# Allegro board LAY-28163.brd (continued)
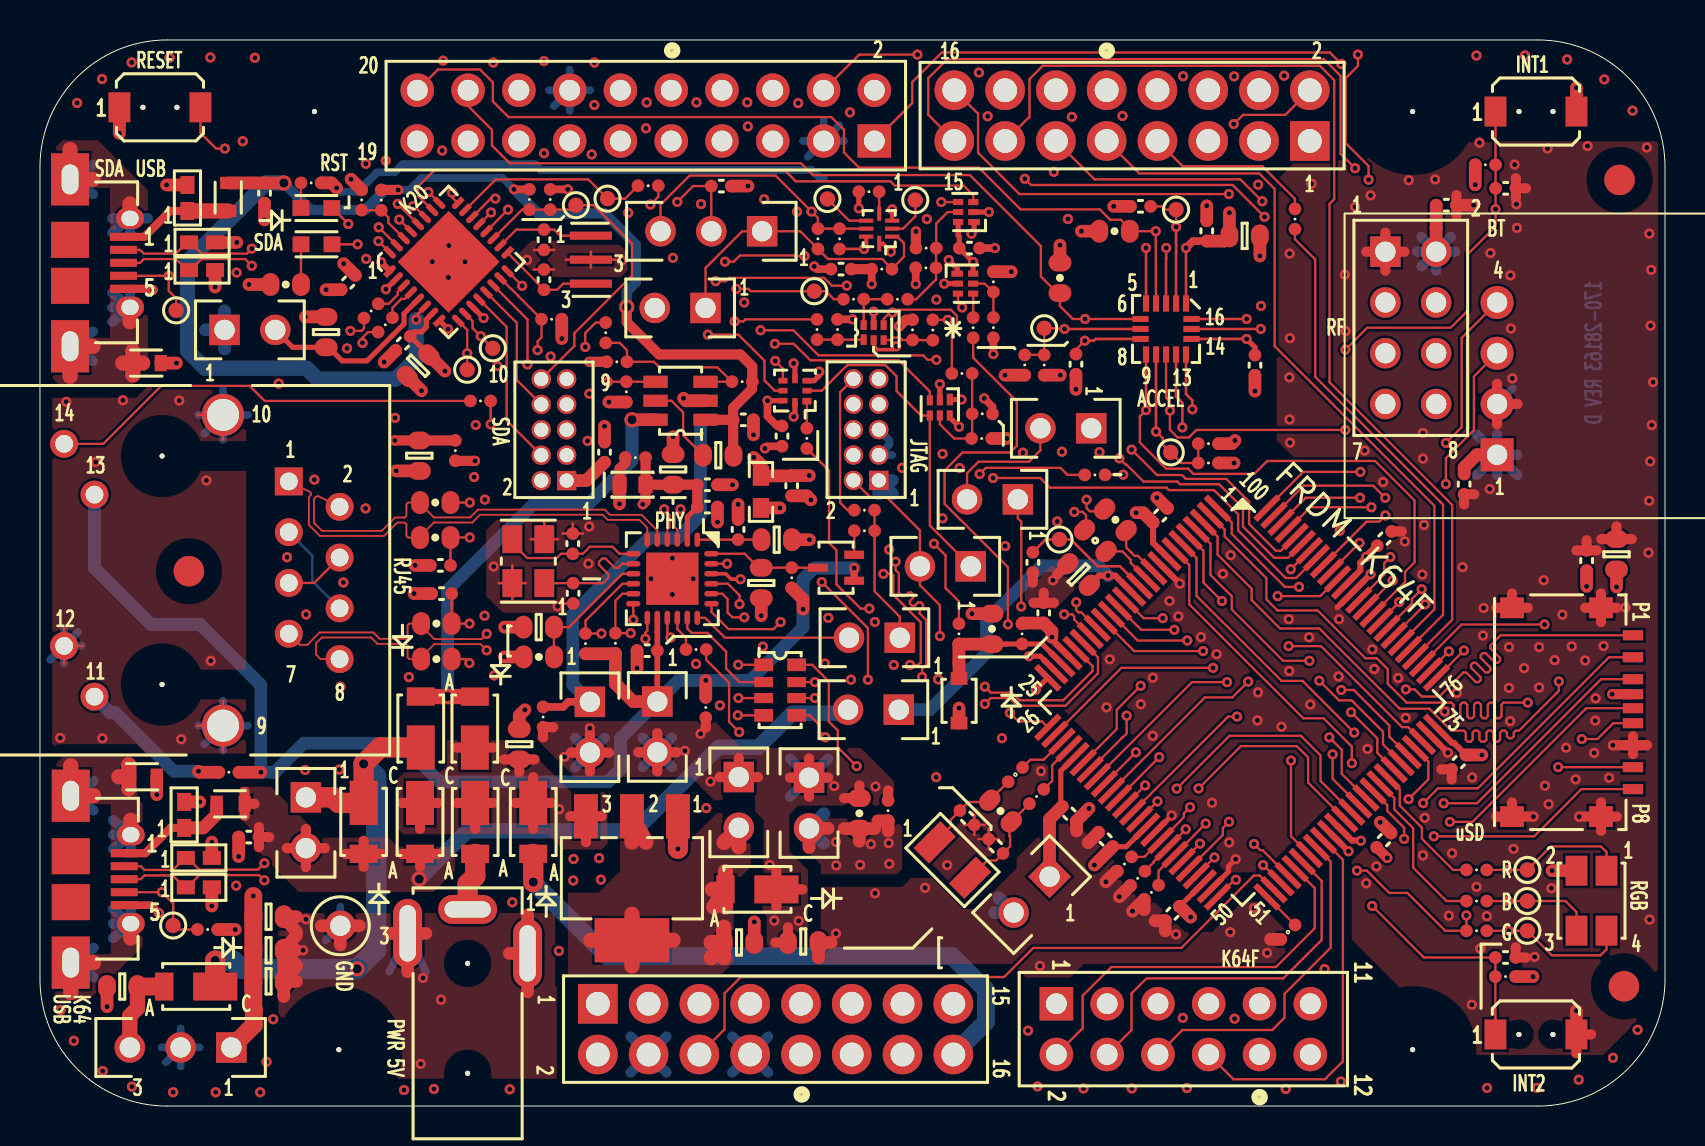
[diagram p0: board, top side]
## Routing (per net, layer and track width the routed paths; a pad name or vN(x,y) marks a point on that pad's centre or on a via; arc(x,y) is an arc through that point) (continued)
  TOP w0.114: U14.66 67.39,15.05 67.39,14.77 68.23,13.92 v1(68.23,13.37)
  INT_1 w0.13: v1(68.23,13.37) 68.23,12.25 64.86,8.87 64.86,4.98 63.92,4.05 62.07,4.05 J4.9
PTB21: length 8.2
  TOP w0.114: U14.67 67.74,15.41 67.74,14.85 68.68,13.9 68.68,11.92 70.35,10.26 R71.2
PTB22: length 6.7
  TOP w0.114: R68.1 70.68,11.81 69.12,13.37 69.12,13.92 68.01,15.03 68.01,15.84 U14.68
PTB23: length 54.8
  TOP w0.114: U14.69 66.89,17.68 66.89,18.4 v1(65.58,19.71)
  INT_1 w0.13: v1(65.58,19.71) 68.07,22.2 68.07,24.63 68.44,24.99 68.44,26.73 70.86,29.15 70.86,40.89 70.34,41.41 66.75,41.41 65.32,42.83 65.32,47.57 65.05,47.85 65.05,51.43 64.22,52.26 54.8,52.26 J1.10
PTC0: length 42.9
  TOP w0.114: v1(61.14,45.27) 60.04,46.37 52.75,46.37 J1.11 ; v1(63.99,21.28) 64.97,20.3 65.61,20.3 67.18,18.73 67.18,18.09 U14.70
  INT_1 w0.13: v1(61.14,45.27) 62.02,44.38 62.02,28.23 63.99,26.27 v1(63.99,21.28)
PTC1: length 40
  TOP w0.114: U14.71 67.49,18.49 67.49,19.04 65.71,20.82 v1(65.08,20.82)
  INT_1 w0.13: v1(65.08,20.82) 65.46,21.19 65.46,26.74 63.71,28.48 63.71,45.32 62.22,46.81 62.22,49.01 61.63,49.61 58.57,49.61 58.43,49.47 J1.5
PTC2: length 55.1
  TOP w0.114: U14.72 69.44,17.24 69.44,16.34 v1(68.45,15.35)
  INT_1 w0.13: v1(68.45,15.35) 63.87,15.35 60.35,18.87 60.35,19.53 60.35,19.53 60.35,20.08 59.89,20.54 59.89,22.31 57.54,24.66 57.54,33.45 58.12,34.03 58.12,43.39 55.79,45.72 54.08,45.72 52.08,47.72 52.08,51.65 51.51,52.22 49.68,52.22 J1.14
PTC3: length 50.2
  TOP w0.114: J1.16 46.92,49.65 46.92,47.7 48.99,45.63 v1(59.47,45.63) ; U14.73 68.43,18.96 68.13,18.96 64.08,23.01 v1(62.45,23.01)
  INT_1 w0.13: v1(59.47,45.63) 60.19,44.91 60.19,42.98 59.42,42.2 59.42,34.94 60.61,33.74 60.61,24.85 v1(62.45,23.01)
PTC4: length 63.7
  TOP w0.114: v1(66.45,46.35) 66.45,47.03 65.31,48.18 65.31,51.43 65.92,52.04 v1(65.92,52.61) ; v1(43.89,52.61) 40.98,52.61 J2.4 ; U14.76 v1(71.22,22.79)
  INT_1 w0.13: v1(71.22,22.79) 71.22,25.84 71.83,26.45 71.83,43.22 70.4,44.66 68.14,44.66 v1(66.45,46.35) ; v1(43.89,52.61) v1(65.92,52.61)
PTC5: length 59.8
  TOP w0.114: J1.15 44.43,49.6 44.43,51.43 45.38,52.38 64.22,52.38 65.05,51.55 65.05,47.65 v1(65.78,46.92) ; U14.77 v1(70.47,22.75)
  INT_1 w0.13: v1(70.47,22.75) 70.47,27.43 71.4,28.36 71.4,42.67 70.03,44.04 67.41,44.04 65.78,45.67 v1(65.78,46.92)
PTC6: length 63.1
  TOP w0.114: v1(65.29,33.83) 57.84,33.83 57.46,33.45 56.9,33.45 56.52,33.83 v1(56.52,34.8) 56.52,35.24 56.32,35.43 U8.11 ; v1(75.25,24.09) 71.11,24.09 U14.78 ; v1(65.29,37.85) 66.39,38.94 70.55,38.94 71.41,39.8 71.41,42.62 72.8,44.01 v1(72.8,44.87) C56.1 R1.2 72.8,47.6 72.8,47.6 SW2.1
  INT_1 w0.13: v1(72.8,44.87) 72.8,44.24 74.66,42.39 74.66,25.84 75.25,25.25 v1(75.25,24.09) ; v1(65.29,33.83) v1(65.29,37.85)
PTC7: length 51.7
  TOP w0.114: U14.79 70.63,24.33 70.63,30.08 64.5,36.21 64.5,45.14 64.73,45.38 64.73,51.33 64.01,52.05 50.15,52.05 49.49,51.39 49.49,49.49 J1.13
PTC8: length 24.8
  TOP w0.114: U14.80 70.18,24.58 70.18,30.09 63.78,36.48 63.78,42.36 62.77,43.37 R79.2
PTC9: length 36.1
  TOP w0.114: U14.81 69.74,24.85 69.74,30.04 61.76,38.02 61.76,45.89 60.98,46.66 54.99,46.66 J1.9
PTC10: length 29.5
  TOP w0.114: v1(69.29,25.1) 68.8,24.61 U14.82
  INT_1 w0.13: J4.12 69.1,8.14 69.1,10.44 72.13,13.48 72.13,16.71 69.61,19.24 69.61,24.79 v1(69.29,25.1)
PTC11: length 32.7
  TOP w0.114: U14.83 68.62,25.14 68.62,25.37 v1(69.11,25.86)
  INT_1 w0.13: J4.10 62.05,3.63 64.09,3.63 66.17,5.72 66.17,8.86 71.42,14.11 71.42,15.99 68.78,18.64 68.78,25.53 v1(69.11,25.86)
PTC12: length 18.4
  TOP w0.114: v1(67.98,25.21) U14.84
  INT_1 w0.13: v1(67.98,25.21) 67.08,26.12 67.08,28.45 65.18,30.35 65.18,33.01 65.81,33.63 65.81,38.72 J6.3
PTC13: length 26.6
  TOP w0.114: U14.85 68.28,26.21 68.28,26.73 68.75,27.2 68.75,30.3 66.77,32.28 61.38,32.28 60.74,31.63 57.69,31.63 57.42,31.89 56.32,31.89 55.01,33.2 55.01,34.51 v1(55.32,34.82)
  TOP w0.127: U8.9 v1(55.32,34.82)
PTC14: length 15.4
  TOP w0.114: v1(70.32,31.12) 70.32,32.42 71.72,33.82 71.72,36.51 J199.3 ; v1(67.65,26.29) 67.34,25.98 U14.86
  INT_1 w0.13: v1(67.65,26.29) 67.65,26.74 70.32,29.41 v1(70.32,31.12)
PTC15: length 17.8
  TOP w0.114: v1(67.54,27.47) 67.23,27.16 67.23,26.58 U14.87 ; J199.4 71.11,38.44 71.11,33.97 v1(70.32,33.18)
  INT_1 w0.13: v1(67.54,27.47) 67.54,27.91 67.54,27.91 67.54,29.01 70.32,31.79 v1(70.32,33.18)
PTC16: length 33
  TOP w0.114: J1.2 62.29,49.59 60.17,49.59 v1(59.71,49.13) ; U14.90 64.04,25.51 v1(61.9,25.51)
  INT_1 w0.13: v1(61.9,25.51) 61.9,26.55 61.04,27.41 61.04,34.36 59.84,35.55 59.84,39.78 60.57,40.51 60.57,45.73 59.71,46.59 v1(59.71,49.13)
PTC17: length 28
  TOP w0.114: v1(66,28.18) U14.91
  INT_1 w0.13: v1(66,28.18) 66,28.62 64.79,29.84 64.79,49.18 64.32,49.64 62.17,49.64 J1.4
PTC18: length 10.7
  TOP w0.114: U14.92 66.35,29.24 66.98,29.24 v1(67.29,29.55)
  INT_1 w0.13: v1(67.29,29.55) 69.83,32.09 J6.8
PTD0: length 44.4
  TOP w0.114: v1(47.67,31.42) 50.03,31.42 50.51,30.94 56.34,30.94 56.47,30.82 58.72,30.82 59.93,29.61 59.93,28.8 62.31,26.42 62.83,26.42 U14.93
  INT_1 w0.13: J2.6 36.65,49.8 37.96,48.49 37.96,46.82 41.49,43.29 43.77,43.29 46.6,40.45 46.6,32.94 47.67,31.87 v1(47.67,31.42)
PTD1: length 58.1
  TOP w0.114: v1(62.56,26.86) U14.94 ; v1(49.26,46.4) 49.57,46.09 59.65,46.09 v1(61.25,44.49)
  INT_1 w0.13: J2.12 30.88,52.67 43.08,52.67 44.48,51.27 44.48,47.5 45.59,46.4 v1(49.26,46.4) ; v1(62.56,26.86) 61.57,27.85 61.57,44.18 v1(61.25,44.49)
PTD2: length 46.6
  TOP w0.114: U14.95 62.42,27.43 61.73,27.43 60.17,28.99 60.17,29.92 58.97,31.11 57.02,31.11 56.89,31.25 55.19,31.25 54.34,32.1 54.3,32.1 v1(53.99,32.41)
  INT_1 w0.13: J2.8 35.26,51.97 42.55,51.97 43.33,51.18 43.33,47.65 45.77,45.21 48.05,45.21 53.99,39.27 v1(53.99,32.41)
PTD3: length 49.5
  TOP w0.114: U14.96 62.07,27.78 61.82,27.78 60.48,29.12 60.48,30.23 59.33,31.38 57.32,31.38 57.12,31.57 55.87,31.57 v1(54.6,32.84)
  INT_1 w0.13: J2.10 33.06,52.32 42.78,52.32 43.9,51.19 43.9,47.53 45.72,45.71 49.31,45.71 54.39,40.64 54.39,33.5 54.6,33.29 v1(54.6,32.84)
PTD4: length 16.2
  TOP w0.114: v1(66.59,29.96) 63.54,29.96 U14.97
  INT_1 w0.13: v1(66.59,29.96) 66.59,31.33 68.28,33.02 68.28,38.66 J6.4
PTD5: length 12.6
  TOP w0.114: v1(66.02,30.43) 63.31,30.43 U14.98
  INT_1 w0.13: v1(66.02,30.43) 65.52,30.94 65.52,32.69 66.19,33.36 66.19,36.56 J6.5
PTD6: length 14.7
  TOP w0.114: U14.99 63.21,31.04 66.68,31.04 v1(67.29,30.43)
  INT_1 w0.13: J6.6 68.61,36.44 68.61,31.75 v1(67.29,30.43)
PTD7: length 9.3
  TOP w0.114: v1(66.04,31.73) 63.19,31.73 U14.100
  INT_1 w0.13: J6.7 67.29,32.98 v1(66.04,31.73)
PTE0: length 34.7
  TOP w0.114: v1(62.98,25.97) 62.27,25.97 59.61,28.63 59.61,29.2 U14.1 ; J15.P8 77.1,15.86 74.74,13.5 v1(69.72,13.5)
  INT_1 w0.13: v1(69.72,13.5) 69.72,15.51 68.93,16.29 64.73,16.29 63.7,17.33 63.7,19.09 62.98,19.81 v1(62.98,25.97)
PTE1: length 33.9
  TOP w0.114: J15.P7 76.37,16.96 v1(75.93,16.96) ; v1(74.41,20.19) 73.2,20.19 73.1,20.09 73.1,19.5 73,19.4 72.86,19.4 72.76,19.5 72.76,20.09 72.66,20.19 72.52,20.19 72.42,20.09 72.42,19.5 72.32,19.4 72.17,19.4 72.07,19.5 72.07,20.09 71.97,20.19 71.83,20.19 71.73,20.09 71.73,19.5 71.63,19.4 71.49,19.4 71.39,19.5 71.39,20.09 71.29,20.19 71.15,20.19 71.04,20.09 71.04,19.5 70.94,19.4 70.8,19.4 70.7,19.5 70.7,20.09 70.6,20.19 68.35,20.19 67.41,21.13 67.41,21.86 66.87,22.4 66.3,22.4 63.9,24.8 61.9,24.8 61.34,25.35 61.34,26.41 59.25,28.5 59.25,28.84 U14.2
  INT_1 w0.13: v1(74.41,20.19) 74.41,18.47 75.62,17.27 v1(75.93,16.96)
PTE2: length 33.7
  TOP w0.114: v1(75.97,21.24) 75.97,20.78 75.83,20.64 75.83,20.63 73.98,18.79 73.82,18.79 73.72,18.69 73.72,18.5 73.62,18.4 73.47,18.4 73.37,18.5 73.37,18.69 73.27,18.79 73.13,18.79 73.03,18.69 73.03,18.33 72.93,18.23 72.79,18.23 72.69,18.33 72.69,18.69 72.59,18.79 72.45,18.79 72.35,18.69 72.35,18.33 72.25,18.23 72.1,18.23 72,18.33 72,18.69 71.9,18.79 71.76,18.79 71.66,18.69 71.66,18.33 71.56,18.23 71.42,18.23 71.32,18.33 71.32,18.69 71.22,18.79 70.59,18.79 69.49,19.88 68.01,19.88 63.99,23.9 62.02,23.9 60.6,25.31 60.6,25.89 58.9,27.59 58.9,28.49 U14.3 ; J15.P5 78.7,19.16 77.9,18.36 v1(77.12,18.36)
  INT_1 w0.13: v1(77.12,18.36) 75.97,19.51 v1(75.97,21.24)
PTE3: length 34.1
  TOP w0.114: J15.P3 78.08,21.36 71.87,15.15 v1(70.21,15.15) ; v1(63.49,22.28) 62.18,22.28 59.61,24.84 59.61,25.51 59.59,25.53 59.59,25.53 59.33,25.79 59.33,25.79 58.55,26.57 58.55,28.14 U14.4
  INT_1 w0.13: v1(63.49,22.28) 63.49,21.12 64.04,20.58 64.04,17.51 64.87,16.68 69.12,16.68 70.21,15.59 v1(70.21,15.15)
PTE4: length 34.1
  TOP w0.114: J15.P2 78.48,22.46 71.92,15.9 69.93,15.9 v1(69.18,15.16) ; v1(59.12,25.27) 58.19,26.19 58.19,27.78 U14.5
  INT_1 w0.13: v1(59.12,25.27) 62.01,22.37 62.01,20.16 63.29,18.89 63.29,17.14 64.56,15.87 68.68,15.87 69.18,15.37 v1(69.18,15.16)
PTE5: length 34.5
  TOP w0.114: J15.P1 73.06,23.56 72.55,23.05 72.55,22.9 73.03,22.42 73.03,22.28 72.93,22.18 72.79,22.18 72.31,22.66 72.16,22.66 72.06,22.56 72.06,22.42 72.54,21.94 72.54,21.8 72.44,21.7 72.3,21.7 71.82,22.18 71.68,22.18 71.58,22.08 71.58,21.93 72.06,21.45 72.06,21.31 71.96,21.21 71.82,21.21 71.33,21.69 71.19,21.69 69.99,20.49 69.11,20.49 68.76,20.85 v1(68.32,20.85) ; U14.6 57.85,27.42 57.85,25.52 62.1,21.27 63.15,21.27 v1(65.73,18.68)
  INT_1 w0.13: v1(65.73,18.68) 66.05,19 66.05,19.03 67.87,20.85 v1(68.32,20.85)
PTE6: length 33.7
  TOP w0.114: v1(70.52,14.22) 71.65,14.22 77.34,19.91 J15.G1 ; U14.7 57.49,27.08 57.49,25.1 63.19,19.4 64.2,19.4 65.62,17.99 65.62,17.59 v1(65.62,17.15)
  INT_1 w0.13: v1(65.62,17.15) 66.06,17.15 66.06,17.15 66.13,17.15 66.13,17.15 69.16,17.15 70.83,15.48 70.83,14.53 v1(70.52,14.22)
PTE24: length 74.5
  TOP w0.114: U14.31 53.86,18.87 53.86,19.83 v1(55.05,21.03) ; U8.4 55.82,40.75 55.81,40.76 55.81,43.14 55.81,43.14 v1(55.81,43.77) R9.2 54.51,43.9 54.06,44.34 53.53,44.34 53.01,44.86 49.04,44.86 46.96,46.95 40.97,46.95 40.21,47.71 40.21,48.85 39.58,49.48 23.43,49.48 22.65,50.26 22.65,51.22 22.01,51.86 19.91,51.86 J2.20
  INT_1 w0.13: v1(55.81,43.77) 55.81,34.73 56.7,33.84 56.7,28.32 55.05,26.68 v1(55.05,21.03)
PTE25: length 64.7
  TOP w0.114: v1(54.35,19.53) 54.35,18.64 54.15,18.44 54.14,18.44 U14.32 ; J2.18 21.41,50.04 22.61,48.84 22.61,48.06 23.5,47.17 38.07,47.17 38.66,46.58 46.51,46.58 50.06,43.03 50.06,41.5 50.89,40.68 R15.2 51.02,40.03 51.66,39.38 v1(52.27,39.38) U8.6
  INT_1 w0.13: v1(54.35,19.53) 53.95,19.93 53.95,30.81 53.53,31.24 53.53,38.12 v1(52.27,39.38)
PTE26: length 103.2
  TOP w0.114: v1(65.09,52.14) 64.52,52.71 45.11,52.71 43.63,51.23 43.63,50.18 J2.1 ; v1(59.38,21.21) 57.62,21.21 U14.33 ; v1(71.35,9.53) R73.2 70.29,8.77 68.39,10.66 67.48,10.66 66.37,11.78 v1(65.87,11.78)
  INT_1 w0.13: v1(71.35,9.53) 71.35,11.25 72.85,12.76 72.85,30.17 74.09,31.41 74.09,41.86 70.52,45.43 68.21,45.43 65.41,48.23 65.41,51.82 v1(65.09,52.14) ; v1(65.87,11.78) 65.43,11.78 64.87,12.34 64.87,13.23 59.38,18.72 v1(59.38,21.21)
REXT: length 6.6
  TOP w0.114: U13.9 29.13,26.63 26.46,23.96 C38.1 25.71,22.48 R58.1
RMII0_INT_B: length 8
  TOP w0.114: J14.2 34.26,23.43 33.27,24.43 U13.18
RMII_RXCLK: length 39.7
  TOP w0.114: U14.50 59.63,11.2 59.7,11.2 v1(59.81,11.32) ; R57.1 33.32,22.32 34.47,21.18 34.47,19.22 v1(34.97,18.71)
  INT_1 w0.13: v1(34.97,18.71) 36.03,18.71 37.02,17.73 37.02,13.93 42.29,8.66 56.1,8.66 56.53,9.09 56.53,9.25 56.37,9.41 56.37,9.57 56.48,9.69 56.65,9.69 56.81,9.53 56.97,9.53 57.08,9.64 57.08,9.8 56.92,9.96 56.92,10.12 57.03,10.24 57.2,10.24 57.36,10.08 57.52,10.08 58.76,11.32 v1(59.81,11.32)
RMII_XTALI: length 6.4
  TOP w0.114: Y2.1 25.9,26.16 C35.1 28.15,26.16 28.43,26.44 28.43,26.6 27.96,27.07 27.96,27.23 28.12,27.4 28.28,27.4 28.75,26.93 28.92,26.93 29.12,27.13 U13.8
RMII_XTALO: length 6.9
  TOP w0.114: U13.7 28.98,27.63 28.63,27.99 27.5,27.99 27.15,27.63 C29.1 26.06,27.63 25.85,27.42 24.37,27.42 23.62,28.16 Y2.3
RST_TGTMCU_B: length 150.1
  TOP w0.114: D1.C 14.62,44.93 v1(15.42,44.14) ; U14.52 61.01,11.53 60.71,11.53 57.09,7.91 49.68,7.91 48.22,6.45 35.05,6.45 34.24,5.64 34.24,3.84 J3.6 ; J9.10 40.02,35.72 40.02,30.19 40.4,29.81 40.73,29.81 ; J25.3 31.04,45.1 32.49,46.56 36.79,46.56 v1(38.59,44.75) 38.91,44.43 R10.2 39.41,43.9 39.41,43.9 R11.2 U3.7
  INT_1 w0.13: J25.3 28.5,46.31 17.59,46.31 17.3,46.02 17.3,46.02 v1(15.42,44.14) 15.42,42.55 15.59,42.38 15.59,42.38 16.82,41.15 16.82,40.72 17.12,40.42 17.12,38.01 15.07,35.95 13.41,35.95 10.51,33.05 10.51,13.96 9.28,12.74 9.28,8.49 9.51,8.27 14,8.27 14.28,7.99 16.58,7.99 18.73,5.84 23.44,5.84 25.49,3.78 31.78,3.78 J3.6 ; J9.10 40.69,38.68 37.79,41.57 37.79,43.95 v1(38.59,44.75)
RXCLK: length 1.8
  TOP w0.114: R57.2 32.31,23.43 31.88,23.86 U13.16
RXD0: length 8.9
  TOP w0.114: v1(30.28,23.38) 30.28,23.38 30.28,23.68 30.38,23.78 U13.13 ; RN1.4 v1(34.9,19.55)
  INT_1 w0.13: v1(30.28,23.38) 30.28,22.93 33.67,19.55 v1(34.9,19.55)
RXD1: length 9.2
  TOP w0.114: U13.12 29.67,24.78 29.68,24.77 v1(29.68,24.33) ; v1(34.94,20.41) 35.49,20.41 35.49,20.41 RN1.3
  INT_1 w0.13: v1(29.68,24.33) 30.12,24.33 30.92,23.53 30.92,23.05 33.27,20.7 34.19,20.7 34.47,20.41 v1(34.94,20.41)
SDA_EXTAL: length 5.1
  TOP w0.114: Y1.3 26.17,41.15 25.86,40.84 C9.1 24.85,41.19 24.85,41.22 U5.17
SDA_JTAG_TCLK: length 9.1
  TOP w0.114: J10.4 23.73,33.9 23.34,34.3 23.34,38.99 U5.12
SDA_JTAG_TDI: length 6.8
  TOP w0.114: J10.8 23.85,36.33 23.85,39.18 U5.13
SDA_JTAG_TDO: length 8.2
  TOP w0.114: U5.14 24.38,39.36 v1(24.38,37.11)
  INT_1 w0.13: v1(24.38,37.11) 24.38,34.52 J10.6
SDA_JTAG_TMS: length 12.3
  TOP w0.114: v1(24.89,37.82) 24.89,38.26 25.08,38.45 R21.2 23.92,40.53 23.92,40.54 23.61,40.85 23.6,40.85 U5.15
  INT_1 w0.13: J10.2 23.85,32.52 23.85,37.3 24.37,37.82 v1(24.89,37.82)
SDA_LED: length 5.2
  TOP w0.114: D2.C v1(15.89,43.12) ; U5.29 v1(17.97,44.36)
  INT_1 w0.13: v1(15.89,43.12) 15.89,43.71 16.66,44.49 17.39,44.49 17.52,44.36 v1(17.97,44.36)
SDA_LED_R: length 2
  TOP w0.114: D2.A 13.06,42.25 13.05,42.25 R17.2
SDA_RST: length 17.1
  TOP w0.114: U5.19 24.11,44.85 R5.2 R6.1 26.58,44.85 TP5.1 27.69,45.07 29.61,43.15 29.61,41.55 26.73,38.67 26.73,38.03 J10.10
SDA_RST_LED: length 1.3
  TOP w0.114: D1.A 13.05,45.51 13.06,45.52 R2.2
SDA_RST_TGTMCU_B: length 11.9
  TOP w0.114: U5.21 v1(22.56,44.71)
  INT_1 w0.13: J5.2 30.75,41.47 28.11,44.11 23.15,44.11 v1(22.56,44.71)
SDA_RST_TGTMCU_J_B: length 15.1
  TOP w0.114: J5.1 33.29,41.93 35.13,43.77 J25.1 38.03,43.77 R10.1 39.42,42.38 42.13,42.38 R14.2 43.22,42.5 43.22,43.16 42.88,43.5 U3.2
SDA_RX_EN: length 2.5
  TOP w0.114: U7.5 47.25,41.15 R16.1 R23.2
SDA_SPI0_CS: length 10
  TOP w0.114: U5.23 22.8,46.37 27.42,46.37 TP1.1 29.27,45.4 R3.2
SDA_SPI0_RST_B: length 21.1
  TOP w0.114: U5.22 22.55,45.4 v1(22.78,45.4) ; R18.2 39.71,40.37 39.31,40.77 TP6.1 35.56,40.77 35.44,40.89 v1(34.83,40.89)
  INT_1 w0.13: v1(34.83,40.89) 33.96,41.76 31.63,41.76 27.99,45.4 v1(22.78,45.4)
SDA_SPI0_SCK: length 30.4
  TOP w0.114: U2.3 46.68,45.57 46.2,46.05 42.75,46.05 42.54,46.27 37.8,46.27 37.25,46.82 19.72,46.82 18.91,46.01 18.91,45.54 U5.26
SDA_SPI0_SIN: length 25.4
  TOP w0.114: U10.5 37.16,36.89 v1(36.78,37.28) ; U5.28 18.21,44.83 18.2,44.83 v1(17.89,45.14)
  INT_1 w0.13: v1(17.89,45.14) 18.49,44.54 18.49,44.16 22.91,39.74 26.24,39.74 29.24,36.75 36.24,36.75 v1(36.78,37.28)
SDA_SPI0_SOUT: length 32.1
  TOP w0.114: v1(18.66,45.02) 18.72,45.02 U5.27 ; U12.3 44.51,35.75 42.95,37.31 38.53,37.31 37.7,38.14 v1(36.76,38.14)
  INT_1 w0.13: v1(18.66,45.02) 19.34,45.02 22.4,41.96 22.4,41.34 23.6,40.14 26.39,40.14 29.35,37.18 35.35,37.18 36.31,38.14 v1(36.76,38.14)
SDA_SWD_EN: length 2.5
  TOP w0.114: R19.1 R18.1 41.2,39.87 41.2,39.86 U9.6
SDA_SWD_EN_B: length 17.9
  TOP w0.114: R25.2 35.29,39.36 35.19,39.26 v1(34.75,39.26) ; U5.16 v1(24.12,41.04)
  INT_1 w0.13: v1(34.75,39.26) 34.75,38.64 34.24,38.14 29.52,38.14 26.63,41.04 v1(24.12,41.04)
SDA_SWD_EN_B_R: length 2.3
  TOP w0.114: U9.1 R26.2 R25.1
SDA_SWD_EN_R: length 6
  TOP w0.114: U2.5 45.4,44.73 44.83,44.16 R12.2 44.82,42.92 R13.1 44.82,41.36 43.83,40.37 R19.2
SDA_SWD_OE: length 24.1
  TOP w0.114: v1(30.53,45.11) 30.93,45.5 R3.1 ; v1(34.26,42.25) 34.7,42.25 35.01,42.56 37.77,42.56 37.8,42.53 v1(38.24,42.53) ; R33.1 45.61,38.59 45.86,38.84 45.86,39.54 45.56,39.84 42.75,39.84 42.63,39.73 v1(42.63,39.7) 42.51,39.7 42.2,39.39 U9.4
  INT_1 w0.13: v1(30.53,45.11) 31.09,45.11 32.01,44.19 32.01,42.94 32.7,42.25 v1(34.26,42.25) ; v1(38.24,42.53) 38.24,41.83 39.87,40.2 42.14,40.2 v1(42.63,39.7)
SDA_SWD_OE_B: length 26.7
  TOP w0.114: v1(40.35,41.05) 39.61,41.05 39.22,41.44 34.47,41.44 34.31,41.27 v1(33.8,41.27) ; R28.2 v1(45.41,39.33) ; U5.20 v1(23.41,44.85)
  INT_1 w0.13: v1(23.41,44.85) 27.99,44.85 31.57,41.27 v1(33.8,41.27) ; v1(40.35,41.05) 40.73,40.68 43.3,40.68 44.64,39.33 v1(45.41,39.33)
SDA_SWD_OE_B_R: length 2.6
  TOP w0.114: U9.3 42.52,38.32 42.65,38.45 43.01,38.45 43.13,38.33 R27.1 44.15,38.33 44.16,38.32 R28.1
SDA_SWD_OE_R: length 5.6
  TOP w0.114: R33.2 R37.2 46.62,33.43 R39.1 45.72,33.4 45.01,34.11 U12.5
SDA_USB_CONN_DN: length 17.3
  TOP w0.114: v1(10.59,42.9) 10.35,42.65 8.08,42.65 7.52,43.21 U4.1 7.36,43.21 6.8,42.66 6.4,42.66 6.39,42.65 5.19,42.65 5,42.84 J26.2 ; R22.1 16.4,38.72 16.13,38.45 v1(16.13,38.18)
  INT_1 w0.119: v1(16.13,38.18) 16.13,38.5 16.5,38.87 16.5,39.96 13.8,42.66 10.83,42.66 v1(10.59,42.9)
SDA_USB_CONN_DP: length 16.7
  TOP w0.114: R20.1 16.21,38.91 16.08,38.78 v1(15.53,38.78) ; J26.3 5,42.19 5.19,42.38 6.81,42.38 7.36,41.83 U6.1 7.53,41.83 8.08,42.38 10.26,42.38 v1(10.59,42.04)
  INT_1 w0.119: v1(10.59,42.04) 10.92,42.37 13.68,42.37 16.21,39.84 16.21,38.99 16,38.78 v1(15.53,38.78)
SDA_USB_DN: length 1.8
  TOP w0.114: U5.4 18.24,40.39 18.08,40.39 17.63,39.94 R22.2
SDA_USB_DP: length 1.8
  TOP w0.114: R20.2 17.44,40.14 17.89,40.59 17.89,40.75 U5.3
SDA_USB_P5V_SENSE: length 2.9
  TOP w0.114: U5.30 17.42,44.19 17.42,44.47 R8.2 16.1,44.82 R7.1
SDA_USBSHIELD: length 28.6
  TOP w0.762: 2.65,46.36 J26.S3 1.5,47.86 ; 2.65,38.01 J26.S4 1.5,36.51 ; 4.64,36.58 L2.1 ; L2.1 4.64,37.77 ; L2.1 5.14,37.17 ; L2.1 4.15,37.17 ; 4.5,39.24 J26.S2 ; J26.S1 4.5,45.14
  BOTTOM w0.508: J26.S3 1.5,47.1 ; J26.S3 2.65,45.63 ; J26.S3 2.65,47.1 ; J26.S3 2.65,46.36 ; J26.S3 1.5,45.63 ; J26.S2 4.5,40.69 ; J26.S2 3.61,40.69 ; J26.S2 3.61,39.24 ; J26.S2 3.61,39.96 ; J26.S2 4.5,39.24 ; 3.61,43.69 J26.S1 ; J26.S1 3.61,44.41 ; J26.S1 5.39,44.41 ; J26.S1 4.5,43.69 ; J26.S1 4.5,45.14 ; J26.S4 2.65,38.01 ; J26.S4 1.5,37.28 ; J26.S4 2.65,38.75 ; J26.S4 1.5,38.75 ; J26.S4 2.65,37.28
SDA_VOUT33: length 9.4
  TOP w0.254: U5.5 18.21,39.65 18.21,39.14 16.36,37.28 15.11,37.28 14.43,37.96 C11.1 12.64,37.96 J7.2
SDA_XTAL: length 5
  TOP w0.114: Y1.1 26.02,43.55 25.71,43.85 C6.1 23.82,43.85 23.02,43.05
SHIELD_K64USB: length 28.4
  TOP w0.762: J22.S1 4.54,14.3 ; 2.68,15.52 J22.S3 1.54,17.02 ; 4.44,15.88 L4.1 ; L4.1 4.44,17.07 ; L4.1 3.94,16.47 ; 1.54,5.68 J22.S4 2.68,7.17 ; 4.54,8.4 J22.S2
  BOTTOM w0.508: J22.S4 2.68,7.91 ; J22.S4 2.68,6.44 ; J22.S4 1.54,6.44 ; J22.S4 2.68,7.17 ; J22.S4 1.54,7.91 ; J22.S3 2.68,16.26 ; J22.S3 1.54,16.26 ; J22.S3 1.54,14.79 ; J22.S3 2.68,14.79 ; J22.S3 2.68,15.52 ; 3.65,8.4 J22.S2 ; J22.S2 4.54,8.4 ; J22.S2 3.65,9.12 ; J22.S2 3.65,9.85 ; J22.S2 4.54,9.85 ; 3.65,12.85 J22.S1 ; J22.S1 4.54,12.85 ; J22.S1 4.54,14.3 ; J22.S1 3.65,14.3 ; J22.S1 3.65,13.58
SW1_RST_B: length 32.3
  TOP w0.114: v1(9.25,47.91) 8.81,47.91 8.02,48.69 SW1.2 ; v1(31.88,45.24) 32.67,46.03 32.99,46.03 C2.1 33.57,44.76 J25.2
  INT_1 w0.13: v1(31.88,45.24) 31.4,45.72 30.22,45.72 29.26,46.69 17.31,46.69 15.58,44.96 12.19,44.96 v1(9.25,47.91)
SWD_CLK_TGTMCU: length 15.1
  TOP w0.114: J11.2 46.37,31.66 46.94,32.24 49.46,32.24 50.04,32.81 J8.2
  INT_1 w0.13: J9.4 40.01,31.9 40.01,30.97 40.6,30.37 45.4,30.37 45.42,30.36 J11.2
SWD_CLK_TGTMCU_BUF: length 15.9
  TOP w0.114: U2.4 v1(45.08,45.23)
  INT_1 w0.13: v1(45.08,45.23) 46.16,44.15 47.17,44.15 48.21,43.11 48.21,43.1 49.57,41.74 49.57,39.75 52.58,36.75 J8.1
SWD_DIO_TGTMCU_BUF: length 16.5
  TOP w0.114: J12.1 44.51,29.05 U12.4 44.07,34.55 42.84,35.77 42.84,36.51 42.29,37.07 40.38,37.07 39.1,35.79 U10.2
TC_EXTAL_TP: length 2.3
  TOP w0.114: TP9.1 v1(22.05,38.52) 21.64,38.93 21.64,39.27 U5.10
TC_SDA_USB_ID_TP: length 4.1
  TOP w0.114: J26.4 6,41.54 v1(6.44,41.54) 6.44,40.79 6.81,40.42 TP7.1
TC_USB_ID_TP: length 5.1
  TOP w0.114: R72.1 6.86,8.83 TP15.1 6.66,10.14 v1(6.1,10.7) J22.4
TC_XTAL_TP: length 2.7
  TOP w0.114: U5.9 21.37,38.83 v1(21.37,37.66) TP10.1
TP_2102_A: length 2.2
  TOP w0.114: TP3.1 43.78,44.51 43.17,43.9 U3.3
TP_2102_B: length 2.4
  TOP w0.114: TP2.1 40.47,44.3 U3.6
TRACE_SWO: length 12.8
  TOP w0.114: R80.1 51.39,31.58 51.04,31.93 47.31,31.93 v1(47,31.62)
  INT_1 w0.13: J9.6 41.39,33.13 45.49,33.13 v1(47,31.62)
UART1_RX_TGTMCU_BUF: length 1.2
  TOP w0.114: U7.4 46.67,40.31 46.68,40.31 R24.1
UART1_RX_TGTMCU_R: length 35
  TOP w0.114: v1(46.13,39.96) 45.91,40.17 U7.3 ; v1(44.84,37.34) 44.4,37.34 44.18,37.56 38.94,37.56 37.68,38.82 36.48,38.82 36.48,38.82 v1(36.04,38.82) ; U5.25 v1(19.43,45.73)
  INT_1 w0.13: v1(46.13,39.96) 46.13,38.63 v1(44.84,37.34) ; v1(19.43,45.73) 22.84,42.32 22.84,41.68 23.97,40.54 26.59,40.54 29.48,37.64 34.87,37.64 v1(36.04,38.82)
UART1_TX_TGTMCU_BUF: length 1.4
  TOP w0.114: R38.1 38.36,34.42 38.36,34.42 U10.1
UART1_TX_TGTMCU_R: length 22
  TOP w0.114: v1(33.41,38.6) 34.94,38.6 36.24,37.29 36.24,36.3 36.75,35.79 U10.6 ; v1(20.62,45.7) 20.63,45.68 20.63,45.44 U5.24
  INT_1 w0.13: v1(33.41,38.6) 29.79,38.6 26.9,41.49 24.58,41.49 24.18,41.89 24.17,41.89 23.91,42.15 23.91,42.4 v1(20.62,45.7)
USB_CONN_DN: length 59.4
  TOP w0.114: R49.1 52.32,28.91 52.32,29.56 52.15,29.73 v1(51.74,29.73) ; J22.2 5.04,12 5.23,11.81 6.64,11.81 7.25,12.41 U16.1 7.38,12.41 7.97,11.83 10.9,11.83 v1(11.22,12.15)
  INT_1 w0.119: v1(11.22,12.15) 11.49,11.88 15.24,11.88 28.45,25.09 32.76,25.09 33.58,25.91 37.84,25.91 38.05,25.7 48.77,25.7 50.25,27.18 50.25,27.35 50.18,27.42 50.18,27.59 50.35,27.76 50.52,27.76 50.59,27.69 50.76,27.69 50.93,27.86 50.93,28.03 50.86,28.09 50.86,28.26 51.03,28.43 51.19,28.43 51.26,28.36 51.43,28.36 52.29,29.22 52.29,29.58 52.14,29.73 v1(51.74,29.73)
USB_CONN_DP: length 59.4
  TOP w0.114: v1(11.22,11.29) 10.96,11.55 7.97,11.55 7.36,10.94 U18.1 7.23,10.94 6.63,11.54 5.23,11.54 5.04,11.35 J22.3 ; v1(52.35,30.34) 52.35,29.92 52.51,29.75 53.13,29.75 R46.1
  INT_1 w0.119: v1(11.22,11.29) 11.52,11.59 15.37,11.59 28.57,24.79 32.88,24.79 33.71,25.61 37.72,25.61 37.93,25.41 48.89,25.41 52.58,29.09 52.58,29.7 52.35,29.94 v1(52.35,30.34)
V_TGTMCU: length 35.9
  TOP w0.127: v1(41.22,42.88) R11.1
  TOP w0.203: U3.8 41.33,42.99 v1(41.22,42.88)
  TOP w0.254: U2.6 45.92,43.56 45.98,43.5 C7.1 v1(46.67,42.23) U7.6 ; v1(45.97,33.99) 45.51,34.45 U12.6 ; v1(37.7,34.5) 37.76,34.56 U10.8
  TOP w0.635: v1(35.7,32.45) 36.06,32.09 SH1.1 37.58,31.53 C23.1 v1(38.48,31.54) ; v1(14.83,45.93) 14.58,46.19 R2.1
  BOTTOM w0.381: v1(14.83,45.93) 15.02,45.75 15.89,45.75 16.86,46.71 17.72,46.71 18.14,47.13 24.75,47.13 25.04,46.84 38.6,46.84 39.03,46.41 39.21,46.41
VOUT33_K64: length 6.6
  TOP w0.127: U14.12 54.02,27.01 52.9,27.01 51.56,28.35 TP12.1 50.3,28.35 C59.1
VREFH: length 7.3
  TOP w0.254: R52.2 48.37,23.11 48.38,23.12 R54.2 50.13,23.12 U14.23
  TOP w0.635: D4.C 45.97,22.15 45.96,22.16 R53.1 45.97,23.11 R52.2
VREGIN_K64: length 17.3
  TOP w0.305: C33.1 52.97,26.54 v1(53.42,26.54) 53.78,26.54 U14.13
  BOTTOM w0.635: J16.1 44.5,19.83 47.35,22.67 47.35,24.29 48.05,24.99 48.06,24.99 50.1,27.03 52.93,27.03 v1(53.42,26.54)
VTRG_EN: length 8.8
  TOP w0.114: R29.2 28.99,38.18 29.36,37.82 R30.1 30.71,37.24 30.98,36.96 33.87,36.96 R34.2 34.58,36.24 U11.3
VTRG_FAULT_B: length 18
  TOP w0.114: U11.4 29.83,36.24 29.83,36.24 R35.2 v1(28.4,36.24) ; U5.32 v1(16.93,43.27)
  INT_1 w0.13: v1(28.4,36.24) 27.62,36.24 25.51,38.35 23.97,38.35 23.61,37.99 21.95,37.99 21.17,38.76 21.17,38.94 17.24,42.86 17.24,42.96 v1(16.93,43.27)
XTAL32_RTC: length 2.5
  TOP w0.114: R62.1 49.53,17.33 50.2,17.33 U14.28
XTAL_32.768KHZ: length 5.1
  TOP w0.114: R62.2 48.04,15.83 48.04,15.83 R65.2 47.41,15.21 46.44,15.21 C44.1 45.56,14.33 45.56,14 Y3.1
XTAL_K64_MAIN: length 2
  TOP w0.114: R74.1 62.35,9.48 62.35,9.48 U14.51
N20614543: length 5.6
  TOP w0.114: D3.3 37.98,26.93 37.97,26.94 R50.2 36.84,26.94 36.83,26.93 C34.1 35.95,26.93 35.25,27.63 U13.24
N20654921: length 6
  TOP w0.114: U13.17 32.38,23.89 32.59,23.68 33.38,23.68 34.32,22.73 34.32,21.89 34.99,21.21 RN1.2
N20657567: length 21.8
  TOP w0.114: R36.2 11.24,35.28 10.49,36.03 6.07,36.03 3.17,33.13 J13.14

## Copper pours and planes (outline as drawn; the poured copper is in the pictures)
GND on TOP: 25.62,9.66 25.85,9.43 25.85,1.36 16.77,1.36 16.71,1.3 11.92,1.3 11.92,8.95 12.62,9.66
GND on TOP: 23.15,24.68 22.32,25.51 22.32,28.82 22.84,29.34 28.57,29.34 28.97,28.94 28.97,26.99 26.66,24.68 ; 1 cut-out
GND on TOP: 44.31,12.55 44.36,12.55 46.76,14.95 47.1,14.95 49.35,17.19 50.24,17.19 50.53,16.9 50.53,16.26 48.27,13.99 48.27,13.21 45.88,10.83 45.88,10.83 44.31,12.4
GND on TOP: 0.61,36.03 0.61,17.63 10.3,17.63 10.3,36.03
GND on TOP: 49.24,26.59 50.11,26.59 50.88,27.36 51.29,27.36 51.74,26.9 51.74,25.82 50.78,24.86 49.7,24.86 49.23,25.33 49.23,26.58
